# Altium PCB STEERING_WHEEL_SWITCHES_V2_CONTROLLER.PcbDoc (part 2 of 2) (continued)
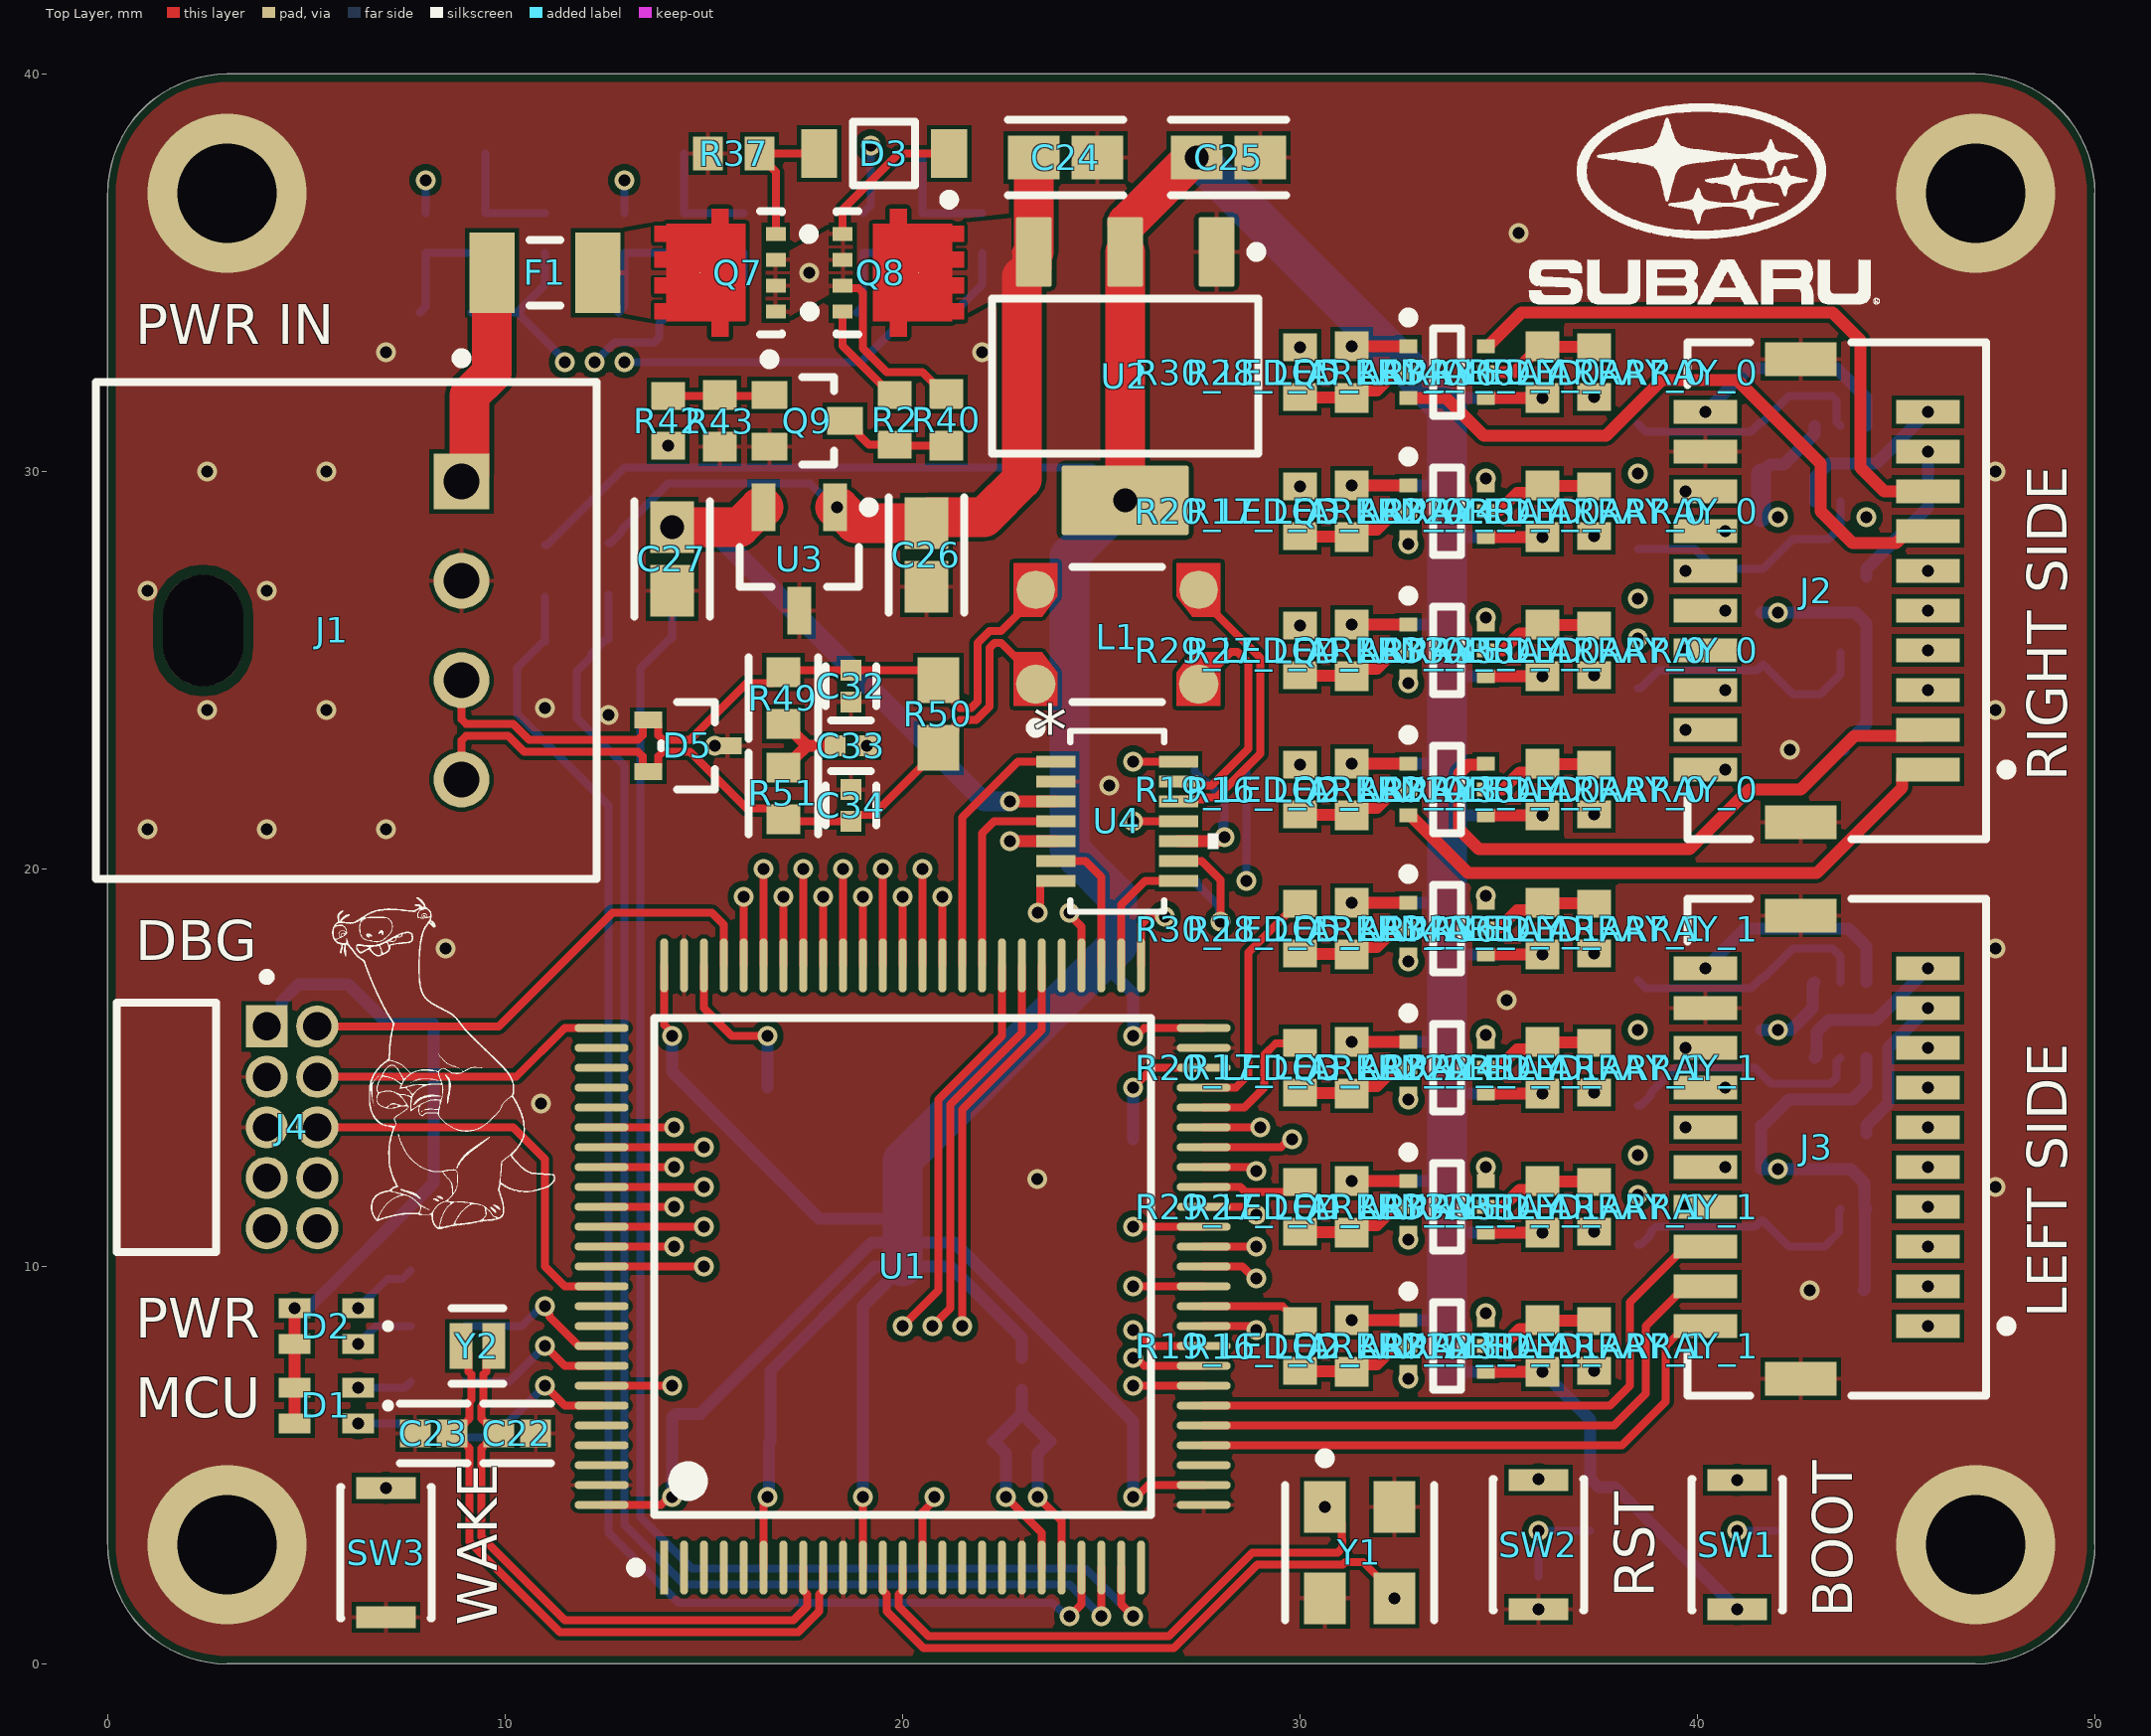
[diagram p0: Top Layer view]
## Nets (pads, with @x,y where several pads share a name; then routed paths per layer and width w, separated by ;. In a path a pad name is that pad's centre, name@x,y a point inside that pad or via, vN(x,y) a via of type N, cw(c..) or ccw(c..) an arc to the next point about the centre after c; other vN are vias at no path point) (continued)
MCU_nLEFT_PADDLE: R56.2 R57.2 R58.2 U1.57 | length 47.6
  Top Layer w0.2: v3(20.75,8.5) 21.2,8.95 21.2,9.273 21.202,9.275 21.202,14.075 23,15.873 U1.57@23,17.575
  Mid Layer 2 w0.2: v1(12.25,32.75) 11.802,32.302 11.802,10.972 13.572,9.202 20.048,9.202 v3(20.75,8.5)
  Bottom Layer w0.2: v1(12.25,32.75) 12.75,33.25 13.75,33.25 13.875,33.375 13.875,33.725 R56.2@14.15,34 R58.2@15.375,34 15.375,34.075 16,34.7 R57.2@16,35.5
MCU_nRIGHT_PADDLE: R61.2 R62.2 R63.2 U1.58 | length 46.2
  Top Layer w0.2: v3(20,8.5) 20.9,9.4 20.9,14.2 22.5,15.8 U1.58@22.5,17.575
  Mid Layer 2 w0.2: v1(11.5,32.75) 11.5,10.8 13.4,8.9 19.519,8.9 19.919,8.5 v3(20,8.5)
  Bottom Layer w0.2: R61.2@9.15,34 R63.2@10.375,34 ; R62.2@11,35.5 11,34.7 10.375,34.075 R63.2@10.375,34 ; v1(11.5,32.75) 11.5,32.8 10.375,33.925 R63.2@10.375,34
NetC10_2: C10.2 C11.2 U1.48 | length 3.3
  Top Layer w0.2: v1(25.8,14.5) 26.3,15 U1.48@27.575,15
  Bottom Layer w0.3: C10.2@25.8,13.2 v1(25.8,14.5)
NetC12_2: C12.2 C13.2 U1.73 | length 4.3
  Top Layer w0.2: U1.73@15,17.575 15,16.5 15.7,15.8 v1(16.6,15.8)
  Bottom Layer w0.3: C12.2@16.6,14.5 v1(16.6,15.8)
NetC31_2: C31.2 R47.2 R48.2 SW3.2 | length 31.7
  Mid Layer 1 w0.2: v1(7,4.425) 10.325,4.425 23,17.1 27.6,17.1 28.6,18.1 28.6,19.65 v1(28.65,19.7)
  Bottom Layer w0.2: v1(28.65,19.7) R47.2@28.65,22.5
NetC33_1: C33.1 R49.2 R51.1 | length 2.4
  Top Layer w0.3: R51.1@17,22.551 17.053,22.551 17.281,22.779 17.281,22.791 17.59,23.1 ; R49.2@17,23.649 17.053,23.649 17.281,23.421 17.281,23.409 17.59,23.1 ; C33.1@18.3,23.1 17.59,23.1
NetD1_1: D1.1 R7.2 | length 1.4
  Bottom Layer w0.2: v1(6.3,6.95) 7.475,6.95 R7.2@7.625,7.1
NetD1_4: D1.4 R8.2 | length 1.5
  Bottom Layer w0.2: v1(6.3,6.05) 7.325,6.05 7.625,5.75 R8.2@7.625,5.7
NetD2_1: D2.1 R11.2 | length 1.7
  Bottom Layer w0.2: v1(6.3,8.95) 7.042,9.692 7.417,9.692 R11.2@7.625,9.9
NetD2_4: D2.4 R14.2 | length 1.5
  Bottom Layer w0.2: v1(6.3,8.05) 6.75,8.5 R14.2@7.625,8.5
NetF1_2: F1.2 Q7.5-6-7-8
NetQ1_LED_ARRAY_0_2: Q1_LED_ARRAY_0.2 R15_LED_ARRAY_0.2 R18_LED_ARRAY_0.2 | length 6.4
  Bottom Layer w0.2: R15_LED_ARRAY_0.2@38.5,28.05 39.937,28.05 40.438,27.55 41.65,27.55 42.4,28.3 43.3,28.3 43.6,28.6 Q1_LED_ARRAY_0.2@43.6,29.25
NetQ1_LED_ARRAY_0_5: Q1_LED_ARRAY_0.5 R25_LED_ARRAY_0.2 R26_LED_ARRAY_0.2 | length 6.1
  Bottom Layer w0.2: R25_LED_ARRAY_0.2@38.5,31.2 38.7,31 41.35,31 R26_LED_ARRAY_0.2@41.6,31.25 ; R26_LED_ARRAY_0.2@41.65,31.25 42.3,31.9 43.383,31.9 43.5,31.783 43.5,31.25 Q1_LED_ARRAY_0.5@43.6,31.15
NetQ1_LED_ARRAY_1_2: Q1_LED_ARRAY_1.2 R15_LED_ARRAY_1.2 R18_LED_ARRAY_1.2 | length 6.2
  Bottom Layer w0.2: R15_LED_ARRAY_1.2@38.5,14.05 38.575,14.05 38.825,14.3 38.825,14.375 39.45,15 41.45,15 41.85,14.6 43.35,14.6 43.5,14.75 43.5,15.15 Q1_LED_ARRAY_1.2@43.6,15.25
NetQ1_LED_ARRAY_1_5: Q1_LED_ARRAY_1.5 R25_LED_ARRAY_1.2 R26_LED_ARRAY_1.2 | length 6.3
  Bottom Layer w0.2: R25_LED_ARRAY_1.2@38.5,17.2 38.7,17 41.35,17 R26_LED_ARRAY_1.2@41.6,17.25 41.65,17.25 42.4,18 43.4,18 43.6,17.8 Q1_LED_ARRAY_1.5@43.6,17.15
NetQ2_LED_ARRAY_0_2: Q2_LED_ARRAY_0.2 R16_LED_ARRAY_0.1 R19_LED_ARRAY_0.1 | length 3
  Top Layer w0.3: R19_LED_ARRAY_0.1@30,21.375 30.012,21.362 31.287,21.362 R16_LED_ARRAY_0.1@31.3,21.35 31.493,21.543 31.943,21.543 32.375,21.975 32.7,21.975 Q2_LED_ARRAY_0.2@32.725,22
NetQ2_LED_ARRAY_0_5: Q2_LED_ARRAY_0.5 R21_LED_ARRAY_0.1 R23_LED_ARRAY_0.1 | length 3
  Top Layer w0.3: Q2_LED_ARRAY_0.5@34.675,22 34.681,22.006 35.106,22.006 35.525,22.425 35.875,22.425 R21_LED_ARRAY_0.1@36.1,22.65 36.112,22.637 37.387,22.637 R23_LED_ARRAY_0.1@37.4,22.625
NetQ2_LED_ARRAY_1_2: Q2_LED_ARRAY_1.2 R16_LED_ARRAY_1.1 R19_LED_ARRAY_1.1 | length 3
  Top Layer w0.3: R19_LED_ARRAY_1.1@30,7.375 30.013,7.362 31.288,7.362 R16_LED_ARRAY_1.1@31.3,7.35 31.493,7.543 31.943,7.543 32.375,7.975 32.7,7.975 Q2_LED_ARRAY_1.2@32.725,8
NetQ2_LED_ARRAY_1_5: Q2_LED_ARRAY_1.5 R21_LED_ARRAY_1.1 R23_LED_ARRAY_1.1 | length 3
  Top Layer w0.3: Q2_LED_ARRAY_1.5@34.675,8 34.681,8.006 35.106,8.006 35.525,8.425 35.875,8.425 R21_LED_ARRAY_1.1@36.1,8.65 36.113,8.637 37.388,8.637 R23_LED_ARRAY_1.1@37.4,8.625
NetQ3_LED_ARRAY_0_2: Q3_LED_ARRAY_0.2 R17_LED_ARRAY_0.1 R20_LED_ARRAY_0.1 | length 3
  Top Layer w0.3: R20_LED_ARRAY_0.1@30,28.375 30.012,28.362 31.287,28.362 R17_LED_ARRAY_0.1@31.3,28.35 31.493,28.543 31.943,28.543 32.375,28.975 32.7,28.975 Q3_LED_ARRAY_0.2@32.725,29
NetQ3_LED_ARRAY_0_5: Q3_LED_ARRAY_0.5 R22_LED_ARRAY_0.1 R24_LED_ARRAY_0.1 | length 3
  Top Layer w0.3: Q3_LED_ARRAY_0.5@34.675,29 34.7,29.025 35.025,29.025 35.457,29.457 35.907,29.457 R22_LED_ARRAY_0.1@36.1,29.65 36.112,29.637 37.387,29.637 R24_LED_ARRAY_0.1@37.4,29.625
NetQ3_LED_ARRAY_1_2: Q3_LED_ARRAY_1.2 R17_LED_ARRAY_1.1 R20_LED_ARRAY_1.1 | length 3
  Top Layer w0.3: R20_LED_ARRAY_1.1@30,14.375 30.013,14.362 31.288,14.362 R17_LED_ARRAY_1.1@31.3,14.35 31.493,14.543 31.943,14.543 32.375,14.975 32.7,14.975 Q3_LED_ARRAY_1.2@32.725,15
NetQ3_LED_ARRAY_1_5: Q3_LED_ARRAY_1.5 R22_LED_ARRAY_1.1 R24_LED_ARRAY_1.1 | length 3
  Top Layer w0.3: Q3_LED_ARRAY_1.5@34.675,15 34.7,15.025 35.025,15.025 35.457,15.457 35.907,15.457 R22_LED_ARRAY_1.1@36.1,15.65 36.113,15.637 37.388,15.637 R24_LED_ARRAY_1.1@37.4,15.625
NetQ4_LED_ARRAY_0_2: Q4_LED_ARRAY_0.2 R27_LED_ARRAY_0.1 R29_LED_ARRAY_0.1 | length 3
  Top Layer w0.3: R29_LED_ARRAY_0.1@30,24.875 30.012,24.862 31.287,24.862 R27_LED_ARRAY_0.1@31.3,24.85 31.493,25.043 31.943,25.043 32.375,25.475 32.7,25.475 Q4_LED_ARRAY_0.2@32.725,25.5
NetQ4_LED_ARRAY_0_5: Q4_LED_ARRAY_0.5 R33_LED_ARRAY_0.1 R35_LED_ARRAY_0.1 | length 3
  Top Layer w0.3: Q4_LED_ARRAY_0.5@34.675,25.5 34.681,25.506 35.106,25.506 35.525,25.925 35.875,25.925 R33_LED_ARRAY_0.1@36.1,26.15 36.112,26.137 37.387,26.137 R35_LED_ARRAY_0.1@37.4,26.125
NetQ4_LED_ARRAY_1_2: Q4_LED_ARRAY_1.2 R27_LED_ARRAY_1.1 R29_LED_ARRAY_1.1 | length 3
  Top Layer w0.3: R29_LED_ARRAY_1.1@30,10.875 30.013,10.862 31.288,10.862 R27_LED_ARRAY_1.1@31.3,10.85 31.493,11.043 31.943,11.043 32.375,11.475 32.7,11.475 Q4_LED_ARRAY_1.2@32.725,11.5
NetQ4_LED_ARRAY_1_5: Q4_LED_ARRAY_1.5 R33_LED_ARRAY_1.1 R35_LED_ARRAY_1.1 | length 3
  Top Layer w0.3: Q4_LED_ARRAY_1.5@34.675,11.5 34.681,11.506 35.106,11.506 35.525,11.925 35.875,11.925 R33_LED_ARRAY_1.1@36.1,12.15 36.113,12.137 37.387,12.137 R35_LED_ARRAY_1.1@37.4,12.125
NetQ5_LED_ARRAY_0_2: Q5_LED_ARRAY_0.2 R28_LED_ARRAY_0.1 R30_LED_ARRAY_0.1 | length 3
  Top Layer w0.3: R30_LED_ARRAY_0.1@30,31.875 30.012,31.862 31.287,31.862 R28_LED_ARRAY_0.1@31.3,31.85 31.493,32.043 31.943,32.043 32.375,32.475 32.7,32.475 Q5_LED_ARRAY_0.2@32.725,32.5
NetQ5_LED_ARRAY_0_5: Q5_LED_ARRAY_0.5 R34_LED_ARRAY_0.1 R36_LED_ARRAY_0.1 | length 3
  Top Layer w0.3: Q5_LED_ARRAY_0.5@34.675,32.5 35.4,32.5 36.05,33.15 R34_LED_ARRAY_0.1@36.1,33.15 36.112,33.137 37.387,33.137 R36_LED_ARRAY_0.1@37.4,33.125
NetQ5_LED_ARRAY_1_2: Q5_LED_ARRAY_1.2 R28_LED_ARRAY_1.1 R30_LED_ARRAY_1.1 | length 3
  Top Layer w0.3: R30_LED_ARRAY_1.1@30,17.875 30.013,17.862 31.288,17.862 R28_LED_ARRAY_1.1@31.3,17.85 31.493,18.043 31.943,18.043 32.375,18.475 32.7,18.475 Q5_LED_ARRAY_1.2@32.725,18.5
NetQ5_LED_ARRAY_1_5: Q5_LED_ARRAY_1.5 R34_LED_ARRAY_1.1 R36_LED_ARRAY_1.1 | length 3
  Top Layer w0.3: Q5_LED_ARRAY_1.5@34.675,18.5 34.7,18.525 35.025,18.525 35.457,18.957 35.907,18.957 R34_LED_ARRAY_1.1@36.1,19.15 36.113,19.137 37.387,19.137 R36_LED_ARRAY_1.1@37.4,19.125
NetQ6_LED_ARRAY_0_2: Q6_LED_ARRAY_0.2 R31_LED_ARRAY_0.2 R32_LED_ARRAY_0.2 | length 6.4
  Bottom Layer w0.2: R31_LED_ARRAY_0.2@38.5,24.55 38.575,24.55 39.025,25 41.5,25 41.65,25.15 42.4,24.4 43.1,24.4 43.6,24.9 Q6_LED_ARRAY_0.2@43.6,25.45
NetQ6_LED_ARRAY_1_2: Q6_LED_ARRAY_1.2 R31_LED_ARRAY_1.2 R32_LED_ARRAY_1.2 | length 6.4
  Bottom Layer w0.2: R31_LED_ARRAY_1.2@38.5,10.55 38.575,10.55 38.825,10.8 38.825,10.875 38.95,11 41.45,11 R32_LED_ARRAY_1.2@41.6,11.15 41.65,11.15 42.3,10.5 43.2,10.5 43.567,10.867 43.567,11.417 Q6_LED_ARRAY_1.2@43.6,11.45
NetQ9_1: Q9.1 R42.1 R43.2 | length 2.6
  Top Layer w0.2: R42.1@14.1,31.9 16.625,31.9 Q9.1@16.65,31.925
NetQ9_3: Q9.3 R2.2 R40.1 | length 2.9
  Top Layer w0.2: Q9.3@18.55,31.275 18.65,31.275 18.9,31.025 18.9,30.925 19.15,30.675 R2.2@19.8,30.675 19.825,30.65 R40.1@21.1,30.65
NetR3_1: R3.1 R4.2 R6.1 | length 3.1
  Bottom Layer w0.2: R6.1@18.85,34 19,34.15 R3.1@19,35.5 R4.2@20.5,35.5
NetR9_2: R9.2 SW1.1
  other v1: 41,4.625
NetR10_2: R10.2 SW2.1
  other v1: 36,4.65
NetR48_1: R48.1 U4.9 | length 3.6
  Top Layer w0.2: U4.9@26.943,20.2 26.945,20.197 27.528,20.197 28,19.725 v1(28,18.675)
  Bottom Layer w0.2: R48.1@27.4,19.7 27.4,19.625 27.962,19.063 27.962,18.713 v1(28,18.675)
NetR54_1: R54.1 R55.2 R56.1 | length 3.1
  Bottom Layer w0.2: R56.1@12.85,34 13,34.15 R54.1@13,35.5 R55.2@14.5,35.5
NetR59_1: R59.1 R60.2 R61.1 | length 3.1
  Bottom Layer w0.2: R61.1@7.85,34 8,34.15 R59.1@8,35.5 R60.2@9.5,35.5
nHORN: R4.1 R52.1 TP1.1 | length 3
  Bottom Layer w0.2: TP1.1@20.5,38 R4.1@20.5,36.5 R52.1@22,36.5
nLED_TRIG_0: R23_LED_ARRAY_0.2 U1.61 | length 19.6
  Top Layer w0.2: U1.61@21,17.575 v1(21,19.3)
  Mid Layer 2 w0.2: v1(21,19.3) 21.9,20.2 25.514,20.2 26.304,20.989 26.304,21 27.404,22.1 36.675,22.1 v1(37.4,21.375)
nLED_TRIG_0_LED_ARRAY_1: R23_LED_ARRAY_1.2 U1.35 | length 10.3
  Top Layer w0.2: U1.35@27.575,8.5 28.719,8.5 28.822,8.396 v1(28.904,8.396)
  Mid Layer 2 w0.2: v1(28.904,8.396) 29.325,7.975 36.8,7.975 v1(37.4,7.375)
nLED_TRIG_1: R19_LED_ARRAY_0.2 U1.62 | length 13
  Top Layer w0.2: U1.62@20.5,17.575 v1(20.5,20)
  Mid Layer 2 w0.2: v1(20.5,20) 21.7,21.2 25.1,21.2 26.525,22.625 v1(30,22.625)
nLED_TRIG_1_LED_ARRAY_1: R19_LED_ARRAY_1.2 U1.36 | length 2.6
  Top Layer w0.2: U1.36@27.575,9 29.558,9 29.675,8.883 29.675,8.875 29.925,8.625 R19_LED_ARRAY_1.2@30,8.625
nLED_TRIG_2: R35_LED_ARRAY_0.2 U1.63 | length 22
  Top Layer w0.2: U1.63@20,17.575 v1(20,19.3)
  Mid Layer 2 w0.2: v1(20,19.3) 20,20.3 23.097,23.397 35.922,23.397 v1(37.4,24.875)
nLED_TRIG_2_LED_ARRAY_1: R35_LED_ARRAY_1.2 U1.38 | length 11
  Top Layer w0.2: U1.38@27.575,10 28.553,10 28.853,9.7 v1(28.9,9.7)
  Mid Layer 2 w0.2: v1(28.9,9.7) 30.41,9.7 32.31,11.6 36.675,11.6 v1(37.4,10.875)
nLED_TRIG_3: R29_LED_ARRAY_0.2 U1.66 | length 16.9
  Top Layer w0.2: U1.66@18.5,17.575 v1(18.5,20)
  Mid Layer 2 w0.2: v1(18.5,20) 18.5,20.8 22.8,25.1 28.975,25.1 v1(30,26.125)
nLED_TRIG_3_LED_ARRAY_1: R29_LED_ARRAY_1.2 U1.42 | length 2.6
  Top Layer w0.2: U1.42@27.575,12 28.5,12 28.625,11.875 29.75,11.875 R29_LED_ARRAY_1.2@30,12.125
nLED_TRIG_4: R24_LED_ARRAY_0.2 U1.67 | length 25.9
  Top Layer w0.2: U1.67@18,17.575 v1(18,19.3)
  Mid Layer 2 w0.2: v1(18,19.3) 18,21 22.6,25.6 28.5,25.6 30.098,27.198 36.223,27.198 v1(37.4,28.375)
nLED_TRIG_4_LED_ARRAY_1: R24_LED_ARRAY_1.2 U1.43 | length 10.7
  Top Layer w0.2: U1.43@27.575,12.5 28.719,12.5 28.819,12.4 v1(28.9,12.4)
  Mid Layer 2 w0.2: v1(28.9,12.4) 29.466,12.4 29.468,12.398 30.132,12.398 30.134,12.4 30.2,12.4 30.9,13.1 33.4,13.1 33.898,13.598 34.125,13.598 34.127,13.6 36.625,13.6 v1(37.4,14.375)
nLED_TRIG_5: R20_LED_ARRAY_0.2 U1.69 | length 21.5
  Top Layer w0.2: U1.69@17,17.575 v1(17,19.3)
  Mid Layer 2 w0.2: v1(17,19.3) 17,22.5 21.1,26.6 28.1,26.6 30,28.5 v1(30,29.625)
nLED_TRIG_5_LED_ARRAY_1: R20_LED_ARRAY_1.2 U1.46 | length 3.6
  Top Layer w0.2: U1.46@27.575,14 28.6,14 29.1,14.5 29.1,15.325 29.392,15.617 29.992,15.617 R20_LED_ARRAY_1.2@30,15.625
nLED_TRIG_6: R36_LED_ARRAY_0.2 U1.70 | length 30.8
  Top Layer w0.2: U1.70@16.5,17.575 v1(16.5,20)
  Mid Layer 2 w0.2: v1(16.5,20) 16.5,22.671 20.929,27.1 27.9,27.1 29.3,28.5 29.3,30.2 29.9,30.8 36.325,30.8 v1(37.4,31.875)
nLED_TRIG_6_LED_ARRAY_1: R36_LED_ARRAY_1.2 U1.45 | length 11.8
  Top Layer w0.2: U1.45@27.575,13.5 v1(29,13.5)
  Mid Layer 2 w0.2: v1(29,13.5) 30.65,15.15 34.95,15.15 37.349,17.549 37.349,17.824 v1(37.4,17.875)
nLED_TRIG_7: R30_LED_ARRAY_0.2 U1.71 | length 25.5
  Top Layer w0.2: U1.71@16,17.575 v1(16,19.3)
  Mid Layer 2 w0.2: v1(16,19.3) 16,22.899 20.701,27.6 27.8,27.6 28.9,28.7 28.9,30.4 30,31.5 v1(30,33.125)
nLED_TRIG_7_LED_ARRAY_1: R30_LED_ARRAY_1.2 U1.47 | length 6.1
  Top Layer w0.2: U1.47@27.575,14.5 27.578,14.502 28.383,14.502 28.7,14.82 28.7,17.9 29.925,19.125 R30_LED_ARRAY_1.2@30,19.125
nLEFT_PADDLE: R55.1 R57.1 TP2.1 | length 3
  Bottom Layer w0.2: TP2.1@14.5,38 R55.1@14.5,36.5 R57.1@16,36.5
nRIGHT_PADDLE: R60.1 R62.1 TP3.1 | length 3
  Bottom Layer w0.2: TP3.1@9.5,38 R60.1@9.5,36.5 R62.1@11,36.5
OTHER_LED: R14.1 U1.92 | length 4.2
  Top Layer w0.2: v1(11,9) 11,8.919 11.115,8.803 11.115,8.738 11.853,8 U1.92@12.425,8
  Bottom Layer w0.2: R14.1@8.975,8.5 10.419,8.5 10.919,9 v1(11,9)
PRE_CAN_N: L1.3 U4.12 | length 7.3
  Top Layer w0.2: U4.12@26.943,21.7 26.995,21.753 27.561,21.753 27.608,21.799 27.898,21.799 28.3,22.201 28.825,22.726 29.002,22.903 29.002,25.313 28.552,25.763 28.544,25.763 27.45,26.857 L1.3@27.45,27.025
PRE_CAN_P: L1.2 U4.13 | length 6
  Top Layer w0.2: U4.13@26.943,22.2 26.995,22.148 27.561,22.148 27.608,22.101 27.773,22.101 27.998,22.326 28.7,23.028 28.7,25.188 28.427,25.461 28.261,25.461 L1.2@27.45,24.65
PWR_IN: F1.1 J1.1 | length 5.6
  Top Layer w1: J1.1@8.9,29.75 9.1,29.95 9.1,31.918 9.667,32.484 F1.1@9.667,35
R_LED: R8.1 U1.95 | length 4.2
  Top Layer w0.2: v1(11,7) 11.5,6.5 U1.95@12.425,6.5
  Bottom Layer w0.2: R8.1@8.975,5.7 9.7,5.7 v1(11,7)
RED_ENABLE_LED_ARRAY_0: R15_LED_ARRAY_0.1 U1.65 | length 25.1
  Top Layer w0.2: U1.65@19,17.575 v1(19,19.3)
  Mid Layer 2 w0.2: v1(19,19.3) 19,20.6 22.4,24 33.494,24 36.094,26.6 38.15,26.6 38.293,26.743 38.443,26.743 v1(38.5,26.8)
RED_ENABLE_LED_ARRAY_1: R15_LED_ARRAY_1.1 U1.41 | length 11.8
  Top Layer w0.2: U1.41@27.575,11.5 28.619,11.5 28.819,11.3 v1(28.9,11.3)
  Mid Layer 2 w0.2: v1(28.9,11.3) 31.157,11.3 32.157,12.3 33.7,12.3 34.397,12.997 38.233,12.997 38.43,12.8 v1(38.5,12.8)
RESETN: C1.1 C21.1 J4.10 R10.1 R13.2 U1.14 | length 45.5
  Top Layer w0.2: U1.14@20.5,2.425 20.5,3.819 20.8,4.119 v1(20.8,4.2)
  Mid Layer 1 w0.2: J4.10@5.27,10.96 3.8,9.49 3.8,5.8 7.3,2.3 18.9,2.3 v1(20.8,4.2) 21.5,4.9 34.45,4.9 v1(36,3.35)
  Bottom Layer w0.2: C21.1@36,2.2 v1(36,3.35) R13.2@37.3,3.35
RP_MOS_LINK: D3.2 Q7.4 R37.1 | length 3.7
  Top Layer w0.2: Q7.4@16.81,35.975 16.81,37.54 16.4,37.95 R37.1@16.4,38 D3.2@17.9,38
SW_IN_0: J2.2 U1.88 | length 34.6
  Top Layer w0.2: U1.88@12.425,10 14.997,10 v1(15,10.003)
  Mid Layer 2 w0.2: v1(15,10.003) 15.003,10 24,10 30.2,16.2 33.6,16.2 35.9,18.5 38.6,18.5 40.7,20.6 v1(40.7,22.5)
SW_IN_1: J2.4 U1.87 | length 34.6
  Top Layer w0.2: U1.87@12.425,10.5 v1(14.25,10.5)
  Mid Layer 2 w0.2: v1(14.25,10.5) 14.79,10.5 14.793,10.503 15.207,10.503 15.21,10.5 23.8,10.5 29.9,16.6 33.4,16.6 35.7,18.9 38.4,18.9 39.7,20.2 v1(39.7,23.5)
SW_IN_2: J2.6 U1.86 | length 35.9
  Top Layer w0.2: U1.86@12.425,11 14.997,11 v1(15,11.003)
  Mid Layer 2 w0.2: v1(15,11.003) 15.003,11 23.7,11 29.7,17 33.2,17 35.5,19.3 38.2,19.3 39.2,20.3 39.2,23.8 39.9,24.5 v1(40.7,24.5)
SW_IN_3: J2.8 U1.85 | length 35.5
  Top Layer w0.2: U1.85@12.425,11.5 v1(14.25,11.5)
  Mid Layer 2 w0.2: v1(14.25,11.5) 14.79,11.5 14.793,11.503 15.207,11.503 15.21,11.5 23.6,11.5 29.5,17.4 31.5,17.4 34,19.9 38.2,19.9 38.8,20.5 38.8,24.6 v1(39.7,25.5)
SW_IN_4: J2.10 U1.84 | length 36.7
  Top Layer w0.2: U1.84@12.425,12 14.997,12 v1(15,12.003)
  Mid Layer 2 w0.2: v1(15,12.003) 15.003,12 22.3,12 25.4,15.1 26.6,15.1 29.3,17.8 31.3,17.8 33.8,20.3 38,20.3 38.4,20.7 38.4,24.907 39.993,26.5 v1(40.7,26.5)
SW_IN_5: J2.12 U1.81 | length 45.8
  Top Layer w0.2: U1.81@12.425,13.5 v1(14.25,13.5)
  Mid Layer 2 w0.2: v1(14.25,13.5) 13.7,14.05 13.7,22.3 25.097,33.697 36.403,33.697 39.1,31 39.1,28.1 v1(39.7,27.5)
SW_IN_6: J2.14 U1.83 | length 48.7
  Top Layer w0.2: U1.83@12.425,12.5 v1(14.25,12.5)
  Mid Layer 2 w0.2: v1(14.25,12.5) 14.193,12.557 13.943,12.557 13.802,12.698 12.9,13.6 12.9,22.5 24.7,34.3 36.693,34.3 40.7,30.293 v1(40.7,28.5)
SW_IN_7: J2.16 U1.82 | length 47.1
  Top Layer w0.2: U1.82@12.425,13 v1(15,13)
  Mid Layer 2 w0.2: v1(15,13) 14,13 13.3,13.7 13.3,22.4 24.898,33.998 36.568,33.998 39.7,30.866 v1(39.7,29.5)
SW_IN_8: J3.2 U1.29 | length 13.9
  Top Layer w0.2: U1.29@27.575,5.5 38.1,5.5 39.2,6.6 39.2,8 J3.2@39.492,8.292
SW_IN_9: J3.4 U1.30 | length 15.1
  Top Layer w0.2: U1.30@27.575,6 37.9,6 38.7,6.8 38.7,8.5 39.7,9.5 J3.4@40.2,9.5
SW_IN_10: J3.6 U1.31 | length 15.5
  Top Layer w0.2: U1.31@27.575,6.5 37.8,6.5 38.3,7 38.3,9.1 39.7,10.5 J3.6@40.2,10.5
SW_IN_11: J3.8 U1.32 | length 18.2
  Top Layer w0.2: v1(25.8,7) U1.32@27.575,7
  Mid Layer 2 w0.2: v1(25.8,7) 26.4,7 28.4,9 30.2,9 32.4,11.2 32.907,11.2 33.757,10.35 36.307,10.35 36.309,10.352 37.759,10.352 38.907,11.5 v1(39.7,11.5)
SW_IN_12: J3.10 U1.33 | length 19.3
  Top Layer w0.2: v1(25.8,7.7) 25.881,7.7 26.081,7.5 U1.33@27.575,7.5
  Mid Layer 1 w0.2: v1(25.8,7.7) 26.8,7.7 28.1,9 30,9 34,13 37,13 37.7,12.3 39.309,12.3 39.458,12.448 40.648,12.448 v1(40.7,12.5)
SW_IN_13: J3.12 U1.34 | length 19.1
  Top Layer w0.2: v1(25.796,8.404) 25.804,8.404 26.207,8 U1.34@27.575,8
  Mid Layer 2 w0.2: v1(25.796,8.404) 27.204,8.404 28.3,9.5 28.3,11.5 28.7,11.9 30.2,11.9 31,12.7 33.5,12.7 34.097,13.297 34.25,13.297 34.251,13.298 38.291,13.298 38.293,13.3 38.707,13.3 38.709,13.298 39.433,13.298 39.634,13.5 v1(39.7,13.5)
SW_IN_14: J3.14 U1.37 | length 19.6
  Top Layer w0.2: v1(25.8,9.5) U1.37@27.575,9.5
  Mid Layer 2 w0.2: v1(25.8,9.5) 28.4,12.1 28.4,12.7 28.6,12.9 29.3,12.9 29.5,12.7 30.007,12.7 30.807,13.5 33.2,13.5 33.9,14.2 35.027,14.2 35.702,14.875 40.297,14.875 40.672,14.5 v1(40.7,14.5)
SW_IN_15: J3.16 U1.40 | length 21
  Top Layer w0.2: v1(25.8,11) U1.40@27.575,11
  Mid Layer 1 w0.2: v1(25.8,11) 25.8,12.3 31.9,18.4 36.3,18.4 36.8,17.9 36.8,17.4 37.5,16.7 38.5,16.7 v1(39.7,15.5)
SWCLK: J4.04 R5.2 U1.76 | length 9.5
  Top Layer w0.2: J4.04@5.27,14.77 10.27,14.77 11.5,16 U1.76@12.425,16
  Bottom Layer w0.2: J4.04@5.27,14.77 7.07,14.77 R5.2@7.1,14.8
SWDIO: J4.02 U1.72 | length 12.6
  Top Layer w0.2: J4.02@5.27,16.04 9.84,16.04 12.7,18.9 15.2,18.9 15.5,18.6 U1.72@15.5,17.575
SWO: J4.06 U1.89 | length 10.4
  Top Layer w0.2: J4.06@5.27,13.5 10.2,13.5 11,12.7 11,10 11.5,9.5 U1.89@12.425,9.5
V_BATT: C24.1 C26.1 Q8.5-6-7-8 R45.2 U2.3 U3.1 | length 20.3
  Top Layer w1: U3.1@18.3,29.1 v1(18.35,29.1) 18.4,29.1 18.799,28.701 C26.1@20.6,28.701 20.6,28.8 20.653,28.853 22.053,28.853 23,29.8 23,34.9 23.25,35.15 23.25,35.475 U2.3@23.3,35.525 ; U2.3@23.3,35.525 C24.1@23.299,37.9
  Bottom Layer w0.2: R45.2@12.6,28.2 12.65,28.2 12.925,28.475 12.925,28.525 14.1,29.7 17.669,29.7 18.269,29.1 v1(18.35,29.1)
VCC_SENSE: R45.1 R46.2 U1.23 | length 38.4
  Top Layer w0.2: v1(25,1.2) U1.23@25,2.425
  Bottom Layer w0.2: R45.1@12.6,26.9 R46.2@12.6,25.775 12.525,25.775 12.175,25.425 12.175,25.35 11.8,24.975 11.8,23.8 13,22.6 13,3.5 14.498,2.002 15.225,2.002 15.227,2 24.2,2 v1(25,1.2)
VDDA: C8.1 C9.2 C16.1 C17.2 FB1.2 U1.20 U1.21 | length 9.8
  Top Layer w0.2: v1(22.6,4.2) 23.5,3.3 U1.20@23.5,2.425 ; v1(23.4,4.2) 24,3.6 U1.21@24,2.425
  Bottom Layer w0.3: C8.1@22.279,5.6 C8.1@22.3,5.6 ; v1(22.6,4.2) 22.6,5.3 C8.1@22.3,5.6 ; FB1.2@23,6.9 23,6.3 ; v1(23.4,4.2) 23.4,5.3 C16.1@23.7,5.6 ; C16.1@23.721,5.6 C16.1@23.7,5.6 ; C8.1@22.3,5.6 23,6.3 ; 23,6.3 C16.1@23.7,5.6
X32_N: C23.1 U1.9 Y2.2 | length 16.6
  Top Layer w0.2: Y2.2@8.887,8 9.075,7.812 9.075,7.356 9.149,7.282 9.149,6.651 9.099,6.601 9.099,6.173 8.982,6.056 8.922,6.056 C23.1@8.666,5.8 8.922,5.544 8.982,5.544 9.099,5.427 9.099,3.074 9.276,2.898 11.198,0.975 11.375,0.798 17.377,0.798 17.901,1.322 17.901,1.751 18,1.85 U1.9@18,2.425
X32_P: C22.1 U1.8 Y2.1 | length 15.6
  Top Layer w0.2: Y2.1@9.713,8 9.525,7.812 9.525,7.356 9.451,7.282 9.451,6.526 9.401,6.476 9.401,6.173 9.518,6.056 9.578,6.056 C22.1@9.834,5.8 9.578,5.544 9.518,5.544 9.401,5.427 9.401,3.199 11.5,1.1 17.252,1.1 17.599,1.447 17.599,1.751 17.5,1.85 U1.8@17.5,2.425
X_N: C19.2 U1.13 Y1.1 | length 14.6
  Top Layer w0.2: U1.13@20,2.425 20,1.85 19.901,1.751 19.901,1.447 20.648,0.7 26.7,0.7 28.803,2.803 30.947,2.803 31.064,2.92 31.064,3.12 31.05,3.134 31.05,3.525 v1(30.625,3.95)
X_P: C18.2 U1.12 Y1.3 | length 15.7
  Top Layer w0.2: U1.12@19.5,2.425 19.5,1.85 19.599,1.751 19.599,1.322 20.523,0.398 26.825,0.398 28.928,2.502 31.072,2.502 31.137,2.567 31.583,2.567 32.375,1.775 v1(32.375,1.65)
pads on no net: J1. J4.07 J4.08 J4.09 Q6_LED_ARRAY_0.3 Q6_LED_ARRAY_0.4 Q6_LED_ARRAY_0.5 Q6_LED_ARRAY_1.3 Q6_LED_ARRAY_1.4 Q6_LED_ARRAY_1.5 U1.1 U1.2 U1.3 U1.4 U1.5 U1.7 U1.15 U1.16 U1.17 U1.18 U1.25 U1.28 U1.55 U1.77 U1.78 U1.79 U1.80 U1.90 U1.91 U1.96 U1.97 U1.98

## Polygon pours and split planes (outlines as drawn)
GND on Top Layer "GND_L01_P006" (solid, remove dead copper, pour order 6): 0,3 0,37 cw(c3,37) 3,40 47,40 cw(c47,37) 50,37 50,3 cw(c47,3) 47,0 3,0 cw(c3,3)
NetF1_2 on Top Layer "NETF1_2_L01_P000" (solid, pour order 0): 11.762,36.016 12.905,36.016 14.06,36.225 16.04,36.225 16.04,33.775 14.06,33.775 12.905,33.984 11.762,33.984
V_BATT on Top Layer "V_BATT_L01_P002" (solid, pour order 2): 19.26,36.225 21.24,36.225 22.879,36.4 23.701,36.4 23.701,34.749 23.75,34.7 23.701,34.65 22.879,34.65 21.24,33.775 19.26,33.775
CAN_PWR on Top Layer "CAN_PWR_L01_P001" (solid, pour order 1): 16.56,35.5 17.06,35.5 18.24,36.15 18.74,36.15 18.74,34.5 18.24,34.5 17.06,33.85 16.56,33.85
GND on Mid Layer 2 "GND_L03_P004" (solid, remove dead copper, pour order 4): 0,3 0,37 cw(c3,37) 3,40 47,40 cw(c47,37) 50,37 50,3 cw(c47,3) 47,0 3,0 cw(c3,3)
GND on Mid Layer 1 "GND_L02_P005" (solid, remove dead copper, pour order 5): 0,3 0,37 cw(c3,37) 3,40 47,40 cw(c47,37) 50,37 50,3 cw(c47,3) 47,0 3,0 cw(c3,3)
GND on Bottom Layer "GND_L04_P003" (solid, remove dead copper, pour order 3): 0,3 0,37 cw(c3,37) 3,40 47,40 cw(c47,37) 50,37 50,3 cw(c47,3) 47,0 3,0 cw(c3,3)

## Silkscreen, mask and mechanical layers (free items; w line width, h text height)
Top Overlay:
  drawing of 29 lines, arcs and shapes, not listed
  text "PWR IN" at 0.7,33.2 h1
  text "RIGHT SIDE" at 49.3,22.2 h1 r90
  text "DBG" at 0.7,17.7 h1
  text "LEFT SIDE" at 49.3,8.7 h1 r90
  text "PWR" at 0.7,8.2 h1
  text "MCU" at 0.7,6.2 h1
  text "RST" at 38.9,1.667 h1 r90
  text "BOOT" at 43.9,1.167 h1 r90
  text "WAKE" at 9.8,0.967 h1 r90
Mechanical 1:
  the board outline again, w0.254

## Text inside footprints (layer, text, board x,y; h text height)
U4: Top 3D Body "*" at 24.409,22 h1.27; Top Overlay "*" at 23.285,22.878 h1.27